# Altium PCB PCB-SM01.PcbDoc (part 4 of 4)
Units mm, origin at the board's own origin, x right, y up, seen from the top; angles counter-clockwise.
Board outline 208.23 x 194.9 mm, 2 copper layers (Top Layer, Bottom Layer); 394 components, 287 nets, 1171 pads, 418 vias.
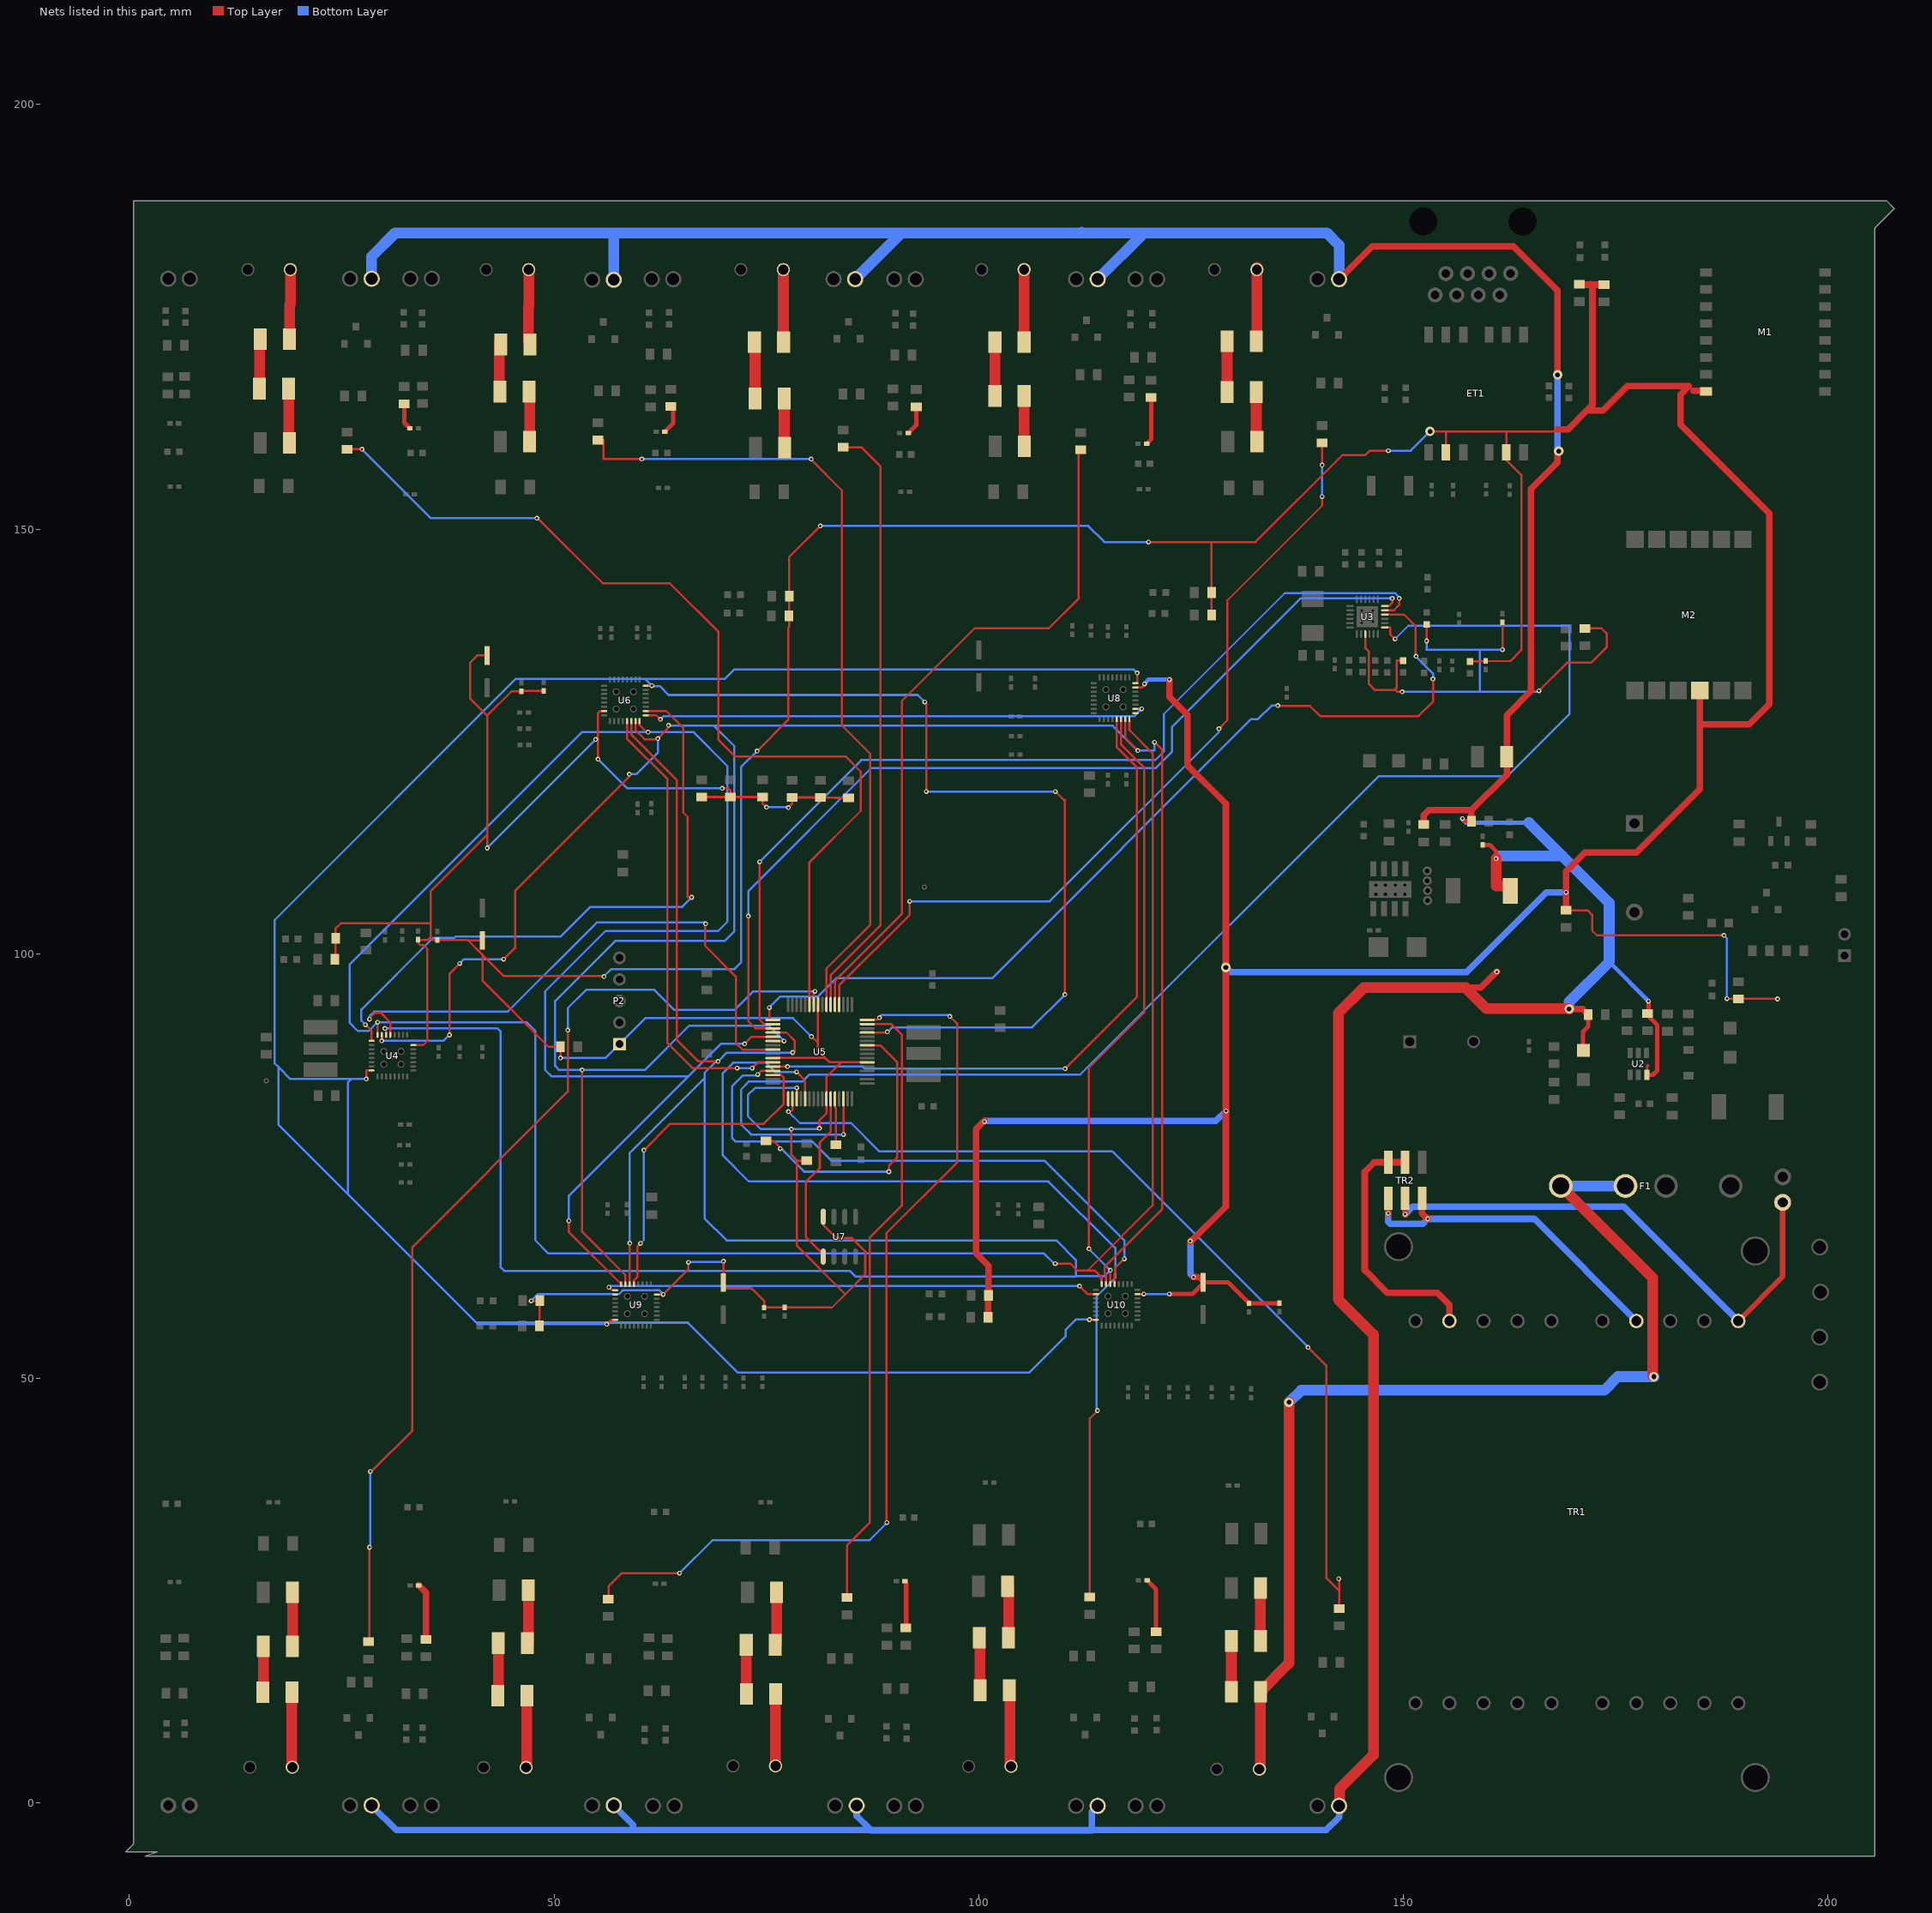
[diagram p4: the nets of this part, all layers, seen from the top]

## Via types
v1: diameter 0.559, hole 0.305, Top Layer to Bottom Layer, 383 vias
v2: diameter 1.118, hole 0.559, Top Layer to Bottom Layer, 31 vias
v3: diameter 0.813, hole 0.559, Top Layer to Bottom Layer, 3 vias
v4: diameter 0.965, hole 0.559, Top Layer to Bottom Layer, 1 vias

## Nets (pads, with @x,y where several pads share a name; then routed paths per layer and width w, separated by ;. In a path a pad name is that pad's centre, name@x,y a point inside that pad or via, vN(x,y) a via of type N, cw(c..) or ccw(c..) an arc to the next point about the centre after c; other vN are vias at no path point) (continued)
NetR45_1: R45.1 R47.2 | length 6.4
  Top Layer w1.27: R45.1@18.74,166.536 18.74,160.237 R47.2@18.817,160.161
NetR45_2: R45.2 R46.1 | length 5.9
  Top Layer w0.254: R46.1@15.311,172.251 R46.1@15.413,172.353
  Top Layer w1.27: R45.2@15.311,166.536 R46.1@15.311,172.251
NetR46_2: R46.2 TB1.1 | length 8.2
  Top Layer w0.254: 18.842,176.403 18.944,176.505
  Top Layer w1.27: R46.2@18.842,172.353 18.842,176.403 ; 18.944,176.505 TB1.1@18.944,180.557
NetR52_1: R52.1 U5.59 | length 113.6
  Top Layer w0.254: R52.1@25.624,159.399 v1(27.376,159.399) ; v1(47.976,151.271) 48.027,151.322 55.728,143.621 63.618,143.621 69.342,137.897 69.342,125.171 71.269,123.244 84.304,123.244 86.097,121.451 86.097,116.815 80.055,110.773 U5.59@80.055,94.018
  Bottom Layer w0.254: v1(27.376,159.399) 35.504,151.271 v1(47.976,151.271)
NetR54_1: R54.1 R57.2 | length 6.3
  Top Layer w1.27: R54.1@19.198,18.454 R57.2@19.198,24.804
NetR54_2: R54.2 R56.1 | length 5.4
  Top Layer w0.254: R56.1@15.692,13.044 R56.1@15.769,13.12
  Top Layer w1.27: R56.1@15.769,13.12 R54.2@15.769,18.454
NetR56_2: R56.2 TB2.1 | length 9
  Top Layer w0.254: TB2.1@18.762,4.23 TB2.1@19.121,4.59
  Top Layer w1.27: TB2.1@19.121,4.59 R56.2@19.121,13.044
NetR60_1: R60.1 U5.58 | length 117.9
  Top Layer w0.254: R60.1@28.164,18.988 28.265,19.089 v1(28.265,30.113) ; v1(28.367,39.028) 28.473,39.028 33.299,43.854 33.299,65.456 51.613,83.769 v1(51.613,91.008) ; U5.58@80.555,94.018 80.555,95.44 v1(80.696,95.58)
  Bottom Layer w0.254: v1(28.265,30.113) 28.367,30.214 v1(28.367,39.028) ; v1(51.613,91.008) 51.613,93.592 53.767,95.746 61.793,95.746 64.156,93.384 71.235,93.384 73.431,95.58 v1(80.696,95.58)
NetR65_1: R65.1 R67.2 | length 5.9
  Top Layer w0.254: R67.2@47.087,160.313 R67.2@47.112,160.339
  Top Layer w1.27: R67.2@47.112,160.339 R65.1@47.112,166.181
NetR65_2: R65.2 R66.1 | length 6
  Top Layer w1.27: R66.1@43.556,172.15 43.556,166.308 R65.2@43.683,166.181
NetR66_2: R66.2 TB3.1 | length 8.3
  Top Layer w0.254: 46.985,176.276 47.007,176.298
  Top Layer w1.27: R66.2@46.985,172.15 46.985,176.276 ; 47.007,176.298 TB3.1@47.007,180.455
NetR70_1: R70.1 U5.55 | length 96
  Top Layer w0.254: R70.1@55.672,160.466 55.804,160.466 55.804,158.242 v1(60.325,158.242) ; v1(80.259,158.256) 80.259,158.171 83.871,154.559 83.871,126.878 87.219,123.53 87.219,103.411 82.055,98.248 U5.55@82.055,94.018
  Bottom Layer w0.254: v1(60.325,158.242) v1@80.188,158.242 ; v1@80.245,158.242 v1(80.259,158.256)
NetR75_1: R75.1 U5.54 | length 71.1
  Top Layer w0.254: U5.54@82.555,94.018 82.555,97.468 88.438,103.351 88.438,157.367 86.177,159.627 R75.1@84.018,159.627
NetR76_2: R76.2 U5.42 | length 33.8
  Top Layer w0.254: R76.2@74.951,77.966 75.814,77.966 76.729,77.052 v1(76.627,77.052) ; U5.42@86.855,89.218 88.404,89.218 90.373,87.249 90.373,75.997 89.403,75.027 v1(89.403,74.334)
  Bottom Layer w0.254: v1(76.627,77.052) 76.729,77.052 79.446,74.334 v1(89.403,74.334)
NetR77_2: R77.2 U5.28 | length 5.5
  Top Layer w0.254: U5.28@83.055,82.918 83.055,81.947 83.184,81.819 83.184,77.535 R77.2@83.155,77.535
NetR78_1: R78.1 R80.2 | length 5.5
  Top Layer w1.27: R80.2@77.084,159.881 R78.1@77.084,165.368
NetR78_2: R78.2 R79.1 | length 6.7
  Top Layer w0.254: R79.1@73.579,172.023 R79.1@73.655,171.946
  Top Layer w1.27: R78.2@73.655,165.368 R79.1@73.655,171.946
NetR79_2: R79.2 TB4.1 | length 8.6
  Top Layer w0.254: R79.2@76.983,172.048 R79.2@77.008,172.023
  Top Layer w1.27: R79.2@76.983,172.048 TB4.1@76.983,180.557 TB4.1@76.983,180.633
NetR86_1: R86.1 U5.53 | length 82.4
  Top Layer w0.254: U5.53@83.055,94.018 83.055,96.799 90.932,104.676 90.932,129.736 99.512,138.317 108.25,138.317 111.76,141.827 111.76,159.073 R86.1@112.009,159.323
NetR90_1: R90.1 R92.2 | length 6
  Top Layer w0.254: R92.2@105.075,159.78 R92.2@105.329,160.034
  Top Layer w1.27: R92.2@105.329,160.034 R90.1@105.329,165.673
NetR90_2: R90.2 R91.1 | length 6.3
  Top Layer w1.27: R90.2@101.9,165.673 R91.1@101.9,172.023
NetR91_2: R91.2 TB5.1 | length 8.7
  Top Layer w1.27: R91.2@105.329,172.023 TB5.1@105.329,180.557 TB5.1@105.329,180.735
NetR94_1: R94.1 U5.52 | length 99.3
  Top Layer w0.254: U5.52@83.555,94.018 83.555,96.274 91.872,104.59 v1(91.872,106.172) ; v1(128.27,126.491) 129.256,127.476 129.256,141.6 140.411,152.756 v1(140.411,153.836) ; R94.1@140.406,160.161 140.406,157.545 v1(140.411,157.54)
  Bottom Layer w0.254: v1(91.872,106.172) 108.338,106.172 128.27,126.104 v1(128.27,126.491) ; v1(140.411,153.836) v1(140.411,157.54)
NetR99_1: R99.1 R101.2 | length 6
  Top Layer w0.254: R101.2@132.558,160.161 R101.2@132.659,160.262
  Top Layer w1.27: R101.2@132.659,160.262 R99.1@132.659,166.13
NetR99_2: R99.2 R100.1 | length 6
  Top Layer w1.27: R99.2@129.23,166.13 R100.1@129.23,172.099
NetR100_2: R100.2 TB6.1 | length 8.8
  Top Layer w1.27: R100.2@132.659,172.099 132.736,172.175 TB6.1@132.736,180.557 TB6.1@132.736,180.836
NetR108_1: R108.1 R110.2 | length 6.3
  Top Layer w0.254: R108.1@46.858,18.835 R108.1@46.96,18.937
  Top Layer w1.27: R108.1@46.96,18.937 R110.2@46.96,25.084
NetR108_2: R108.2 R109.1 | length 6.2
  Top Layer w0.254: R109.1@43.353,12.663 R109.1@43.429,12.739
  Top Layer w1.27: R109.1@43.429,12.739 R108.2@43.429,18.835
NetR109_2: R109.2 TB7.1 | length 8.5
  Top Layer w0.254: TB7.1@46.701,4.193 TB7.1@46.782,4.274
  Top Layer w1.27: TB7.1@46.782,4.274 R109.2@46.782,12.663
NetR112_1: R112.1 U5.48 | length 110.9
  Top Layer w0.254: R112.1@56.409,24.017 56.409,25.541 57.933,27.065 v1(64.765,27.065) ; U5.48@86.855,92.218 88.059,92.218 v1(88.311,92.47) ; v1@89.124,33.034 89.124,67.127 97.46,75.463 97.46,91.754 v1(96.591,92.622)
  Bottom Layer w0.254: v1(64.765,27.065) 68.651,30.951 87.143,30.951 89.175,32.983 v1(89.175,33.034) ; v1(88.311,92.47) 88.311,92.546 88.562,92.797 96.417,92.797 v1(96.591,92.622)
NetR117_1: R117.1 R119.2 | length 6.2
  Top Layer w1.27: R117.1@76.043,18.632 76.195,18.784 R119.2@76.195,24.804
NetR117_2: R117.2 R118.1 | length 5.8
  Top Layer w1.27: R117.2@72.614,18.632 72.614,12.892 R118.1@72.639,12.866
NetR118_2: R118.2 TB8.1 | length 8.5
  Top Layer w0.254: TB8.1@76.06,4.371 TB8.1@76.068,4.38
  Top Layer w1.27: TB8.1@76.068,4.38 R118.2@76.068,12.866
NetR121_1: R121.1 U5.47 | length 73.5
  Top Layer w0.254: R121.1@84.476,24.195 84.476,30.337 87.173,33.034 87.173,66.592 90.927,70.346 90.927,90.475 89.684,91.718 U5.47@86.855,91.718
NetR125_1: R125.1 U5.21 | length 116.1
  Top Layer w0.254: v1(78.537,86.081) 79.555,85.062 U5.21@79.555,82.918 ; R125.1@113.051,24.245 113.051,45.277 113.813,46.039 113.813,46.064 v1(113.965,46.216)
  Bottom Layer w0.254: v1(78.537,86.081) 76.022,86.081 74.945,87.158 71.073,87.158 69.845,85.93 69.845,76.265 72.919,73.191 108.19,73.191 116.096,65.285 116.096,61.867 113.857,59.628 113.857,46.216 v1(113.965,46.216)
NetR130_1: R130.1 R132.2 | length 6.1
  Top Layer w1.27: R132.2@103.394,25.504 103.495,25.402 R130.1@103.495,19.459
NetR130_2: R130.2 R131.1 | length 6.2
  Top Layer w1.27: R130.2@100.066,19.459 100.143,19.382 R131.1@100.143,13.286
NetR131_2: R131.2 TB9.1 | length 9
  Top Layer w0.254: R131.2@103.572,13.062 R131.2@103.572,13.286
  Top Layer w1.27: TB9.1@103.644,4.346 R131.2@103.644,13.087
NetR133_1: R133.1 U5.18 | length 108.3
  Top Layer w0.254: v1(77.567,81.421) 77.852,81.421 78.055,81.624 U5.18@78.055,82.918 ; v1(138.755,53.659) 140.94,51.474 140.94,26.481 142.438,24.982 ; v1(142.362,26.404) 142.438,26.328 142.438,24.982 ; R133.1@142.438,22.899 142.438,24.982
  Bottom Layer w0.254: v1(77.567,81.421) 78.927,80.061 84.947,80.061 88.26,76.747 115.709,76.747 138.776,53.679 v1(138.755,53.659)
NetR139_1: R139.1 R141.2 | length 6.2
  Top Layer w1.27: R139.1@133.163,19.078 R141.2@133.163,25.326
NetR139_2: R139.2 R140.1 | length 6
  Top Layer w1.27: R140.1@129.734,13.109 R139.2@129.734,19.078
NetR140_2: F1.1 R140.2 TB10.1 | length 123.2
  Top Layer w0.254: TB10.1@133.032,3.99 TB10.1@133.163,4.121
  Top Layer w1.27: TB10.1@133.163,4.121 R140.2@133.163,13.109 136.52,16.466 v2(136.52,47.182) ; F1.1@168.514,72.658 179.319,61.853 v2@179.319,50.357
  Bottom Layer w1.27: v2(136.52,47.182) 137.943,48.604 173.63,48.604 175.23,50.204 v2(179.472,50.204) ; F1.1@168.514,72.658 F1.1@176.134,72.658
NetS1_2: S1.2 TR1.1@189.411,56.76 TR2.5 | length 63.2
  Top Layer w0.635: TR1.1@189.411,56.76 194.635,61.984 S1.2@194.635,70.725
  Top Layer w0.762: v1(150.185,69.33) 150.195,69.34 TR2.5@150.195,71.194
  Bottom Layer w0.762: v1(150.185,69.33) 151.086,70.231 175.941,70.231 TR1.1@189.411,56.76
NetTR1_4: TR1.4 TR2.4@148.195,71.194 TR2.6 | length 39.9
  Top Layer w0.254: 152.195,69.418 152.197,69.418
  Top Layer w0.762: v1(148.195,69.429) TR2.4@148.195,71.194 ; 152.195,69.418 TR2.6@152.195,71.194 ; 152.197,69.418 v1(152.832,68.783)
  Bottom Layer w0.762: v1(148.195,69.429) 148.195,68.476 148.458,68.213 152.261,68.213 v1(152.832,68.783) 165.388,68.783 TR1.4@177.411,56.76
NetTR1_9: TR1.9 TR2.2 TR2.3 | length 30.4
  Top Layer w0.762: TR2.2@150.195,75.444 TR2.3@148.195,75.444 146.545,75.444 145.436,74.334 145.436,62.726 148.077,60.085 153.989,60.085 155.411,58.662 TR1.9@155.411,56.76
NetU3_13: U3.13 U5.30 | length 170.6
  Top Layer w0.254: v1(84.055,78.715) U5.30@84.055,82.918 ; U3.13@147.74,138.438 148.429,138.438 148.429,137.626 v1(148.996,137.058)
  Bottom Layer w0.254: v1(84.055,78.715) 73.177,78.715 72.009,79.883 72.009,84.023 72.963,84.977 79.243,84.977 80.042,85.776 111.938,85.776 147.08,120.918 162.225,120.918 169.545,128.238 169.545,138.622 150.56,138.622 v1(148.996,137.058)
NetU3_16: U3.16 U5.1 | length 110
  Top Layer w0.254: v1(75.336,93.65) 75.336,92.218 U5.1@75.755,92.218 ; v1(135.199,129.224) 135.242,129.181 138.992,129.181 140.194,127.979 151.76,127.979 153.462,129.681 v1(153.462,132.348) ; U3.16@147.74,139.938 150.053,139.938 151.43,138.562 151.43,135.015 v1(151.481,135.015)
  Bottom Layer w0.254: v1(75.336,93.65) 76.646,94.96 81.051,94.96 83.21,97.118 101.57,97.118 132.075,127.623 132.863,127.623 134.463,129.224 v1(135.199,129.224) ; v1(151.481,135.015) 151.455,135.015 153.462,133.008 v1(153.462,132.348)
NetU3_17: U3.17 U5.2 | length 114.5
  Top Layer w0.254: v1(74.193,110.82) 74.193,92.226 74.701,91.718 U5.2@75.755,91.718 ; U3.17@147.74,140.438 148.869,140.438 149.479,141.048 v1(149.479,141.834)
  Bottom Layer w0.254: v1(74.193,110.82) 86.171,122.798 120.773,122.798 121.782,123.807 121.782,128.219 136.02,142.458 149.018,142.458 149.479,141.997 v1(149.479,141.834)
NetU3_18: U3.18 U5.3 | length 112
  Top Layer w0.254: v1(72.855,104.429) 72.855,92.048 73.685,91.218 U5.3@75.755,91.218 ; U3.18@147.74,140.938 148.275,140.938 148.666,141.329 v1(148.666,141.837)
  Bottom Layer w0.254: v1(72.855,104.429) 72.855,107.367 87.357,121.868 120.834,121.868 122.752,123.787 122.752,126.719 137.87,141.837 v1(148.666,141.837)
NetU4_1: U4.1 U6.2 | length 74.4
  Top Layer w0.254: v1(27.788,91.643) 28.499,90.932 28.499,89.749 U4.1@28.508,89.749 ; U6.2@60.771,128.572 63.194,128.572 65.202,126.564 65.202,116.611 65.705,116.108 65.705,106.643 v1(66.188,106.643)
  Bottom Layer w0.254: v1(27.788,91.643) 27.305,92.126 27.305,93.421 35.754,101.87 38.246,101.87 38.407,102.032 50.781,102.032 54.275,105.525 65.07,105.525 v1(66.188,106.643)
NetU4_8: U4.8 U5.45 U6.8 U8.8 U9.8 U10.8 | length 404.1
  Top Layer w0.254: v1(27.889,85.242) 27.889,86.249 U4.8@28.508,86.249 ; v1(56.21,56.388) 56.709,56.887 U9.8@57.184,56.887 ; U6.8@60.771,131.572 v1(61.493,131.572) v1(61.527,131.572) ; U5.45@86.855,90.718 89.15,90.718 v1(89.225,90.793) ; v1(93.62,129.655) 93.797,129.478 v1(93.797,119.089) ; v1(109.012,119.089) 109.977,118.124 110.13,118.124 v1(110.13,95.188) ; v1(113.019,56.912) v1@113.039,56.912 ; v1(113.03,56.921) v1@113.039,56.912 ; U10.8@113.776,56.912 v1@113.039,56.912 ; U8.8@118.422,131.837 118.643,131.837 v1(118.643,133.056)
  Bottom Layer w0.254: v1(27.889,85.242) 26.093,85.242 ; v1(56.21,56.388) 41.021,56.388 40.843,56.566 ; v1(61.493,131.572) 60.681,132.385 ; v1(61.527,131.572) 61.589,131.51 62.428,131.51 63.47,130.468 92.807,130.468 v1(93.62,129.655) ; v1@89.251,90.768 89.81,91.327 106.269,91.327 v1(110.13,95.188) ; v1(93.797,119.089) v1(109.012,119.089) ; v1(113.03,56.921) 111.4,56.921 110.206,55.728 110.206,54.954 105.95,50.698 71.603,50.698 65.735,56.566 40.843,56.566 ; v1(118.643,133.056) 118.24,133.459 71.185,133.459 70.111,132.385 60.681,132.385 ; 17.551,86.639 18.948,85.242 26.093,85.242 ; 17.551,86.639 17.551,79.858 25.7,71.709 ; 17.551,86.639 17.089,87.101 17.089,103.983 45.491,132.385 60.681,132.385 ; 25.7,71.709 40.843,56.566 ; 25.7,71.709 25.7,84.85 26.093,85.242
NetU4_29: U4.29 U5.8 | length 69.8
  Top Layer w0.254: v1(28.265,92.292) 28.129,92.292 28.852,93.015 29.616,93.015 30.708,91.923 U4.29@30.708,90.449 ; v1(67.839,103.519) 67.748,103.428 67.748,100.959 71.399,97.307 71.399,89.484 72.165,88.718 U5.8@75.755,88.718
  Bottom Layer w0.254: v1(28.265,92.292) 28.265,92.648 28.81,93.193 44.533,93.193 55.012,103.671 67.686,103.671 v1(67.839,103.519)
NetU4_30: U4.30 U5.4 U6.30 U8.30 U9.30 U10.30 | length 340.6
  Top Layer w0.254: v1(30.074,91.211) 30.208,91.077 U4.30@30.208,90.449 ; U9.30@58.884,61.087 58.884,63.874 58.877,63.881 58.877,65.906 v1(58.898,65.927) ; U6.30@59.071,127.372 59.071,125.832 64.435,120.467 64.435,89.895 67.005,87.325 v1(69.291,87.325) ; U5.4@75.755,90.718 77.363,90.718 78.329,89.752 78.329,88.458 78.158,88.288 v1(78.08,88.367) ; v1(112.954,65.253) 112.954,86.546 119.451,93.043 119.451,121.95 116.722,124.68 U8.30@116.722,127.637 ; U10.30@115.476,61.112 v1(115.476,62.731)
  Bottom Layer w0.254: v1(30.074,91.211) 43.341,91.211 43.713,90.839 43.713,63.068 44.12,62.662 84.811,62.662 85.493,61.979 111.313,61.979 111.386,62.052 ; v1@58.877,65.927 58.877,76.519 67.712,85.353 ; v1(78.08,88.367) 70.333,88.367 v1(69.291,87.325) 69.069,87.325 67.712,85.967 67.712,85.353 ; v1(112.954,65.253) v1(115.476,62.731) 114.797,62.052 111.386,62.052 ; 67.712,85.353 67.712,68.839 70.307,66.243 109.144,66.243 111.43,63.957 111.43,62.096 111.386,62.052
NetU4_31: U4.31 U5.6 U6.31 U8.31 U9.31 U10.31 | length 310.3
  Top Layer w0.254: v1@29.708,89.772 U4.31@29.708,90.449 ; v1(37.663,90.438) 37.663,97.626 v1(38.883,98.845) ; v1(44.064,99.353) 45.385,100.674 45.385,107.405 58.847,120.867 v1(58.847,121.146) ; v1(53.289,86.309) 53.289,67.268 58.384,62.173 U9.31@58.384,61.087 ; U6.31@59.571,127.372 59.571,126.341 60.65,125.261 62.098,125.261 v1@62.174,125.337 ; v1(62.2,125.337) v1@62.174,125.337 ; v1(63.47,126.887) 63.47,126.633 v1@62.174,125.337 ; U5.6@75.755,89.718 77.058,89.718 v1(77.064,89.713) ; U10.31@114.976,61.112 114.976,62.189 114.833,62.332 114.833,63.17 121.56,69.896 121.56,124.042 v1(120.696,124.906) ; U8.31@117.222,127.637 117.222,125.425 v1(118.72,123.927)
  Bottom Layer w0.254: v1(29.688,89.752) 31.252,89.752 ; 31.226,89.763 36.988,89.763 v1(37.663,90.438) ; v1(38.883,98.845) 39.391,99.353 v1(44.064,99.353) ; v1(58.847,121.146) 59.685,121.146 62.2,123.661 v1(62.2,125.337) ; v1(63.47,126.887) 63.47,126.862 68.794,126.862 68.809,126.848 ; v1(77.064,89.713) 75.246,91.53 65.901,91.53 60.681,86.309 v1(53.289,86.309) 50.601,86.309 50.114,86.796 50.114,94.43 57.196,101.512 70.081,101.512 71.217,102.648 71.217,124.439 68.809,126.848 ; v1(120.696,124.906) 120.696,123.973 120.65,123.927 v1(118.72,123.927) 118.678,123.927 115.757,126.848 68.809,126.848
NetU4_32: U4.32 U5.5 U6.32 U8.32 U9.32 U10.32 | length 369.4
  Top Layer w0.254: U4.32@29.208,90.449 v1(29.208,91.948) ; v1(51.74,68.555) 51.74,67.232 U9.32@57.884,61.087 ; U6.32@60.071,127.372 60.071,126.912 60.884,126.099 v1(61.057,126.099) ; v1(72.418,89.383) 73.254,90.218 U5.5@75.755,90.218 ; v1(108.987,63.514) 110.781,63.514 111.608,62.687 112.593,62.687 ; U8.32@117.722,127.637 117.722,126.356 120.467,123.61 120.467,70.372 112.797,62.701 112.81,62.687 112.593,62.687 ; 112.593,62.687 112.596,62.685 113.665,62.685 114.325,62.025 ; 114.325,62.025 U10.32@114.476,61.112 114.476,61.874 114.325,62.025
  Bottom Layer w0.254: v1(51.74,68.555) 51.74,71.494 65.818,85.573 ; v1(72.418,89.383) 69.628,89.383 65.818,85.573 ; v1(108.987,63.514) 108.86,63.514 107.666,64.708 49.338,64.708 47.777,66.269 47.777,90.932 46.761,91.948 v1(29.208,91.948) 28.165,90.905 26.884,90.905 25.903,91.886 25.903,98.7 53.315,126.111 66.37,126.111 70.394,122.087 70.394,103.774 69.301,102.681 56.053,102.681 48.941,95.569 48.941,86.307 49.675,85.573 65.818,85.573
NetU5_11: U5.11 U6.29 | length 53.8
  Top Layer w0.254: U6.29@58.571,127.372 58.571,125.325 63.343,120.553 63.343,89.474 66.279,86.538 v1(71.552,86.538) ; v1(73.304,86.538) 73.985,87.218 U5.11@75.755,87.218
  Bottom Layer w0.254: v1(71.552,86.538) v1(73.304,86.538)
NetU5_12: U5.12 U8.29 | length 80.2
  Top Layer w0.254: U5.12@75.755,86.718 77.467,86.718 v1(77.47,86.716) ; v1(110.16,86.462) 118.593,94.894 118.593,122.005 116.222,124.376 U8.29@116.222,127.637
  Bottom Layer w0.254: v1(77.47,86.716) 86.335,86.716 86.589,86.462 v1(110.16,86.462)
NetU5_13: U5.13 U10.29 | length 68.3
  Top Layer w0.254: v1@74.081,85.91 74.389,86.218 U5.13@75.755,86.218 ; U10.29@115.976,61.112 115.976,62.353 116.096,62.474 116.096,63.061 v1(117.119,64.084)
  Bottom Layer w0.254: v1(73.96,85.79) 73.832,85.661 72.199,85.661 70.968,84.43 70.968,78.257 71.309,77.916 80.363,77.916 82.674,75.604 107.758,75.604 117.119,66.243 v1(117.119,64.084)
NetU5_14: U5.14 U9.29 | length 39.5
  Top Layer w0.254: U9.29@59.384,61.087 59.384,61.518 59.787,61.92 59.787,65.52 v1(60.168,65.901) ; v1(60.571,76.878) 63.666,79.973 74.671,79.973 77.013,82.315 77.013,85.439 76.733,85.718 U5.14@75.755,85.718
  Bottom Layer w0.254: v1(60.168,65.901) 60.549,66.282 60.549,76.9 v1(60.571,76.878)
NetU5_17: U5.17
NetU5_27: U5.27 U7.1 | length 20.9
  Top Layer w0.254: U7.1@81.682,64.339 81.682,64.999 81.28,64.999 79.624,66.654 79.624,73.112 81.275,74.763 81.275,77.763 82.555,79.043 U5.27@82.555,82.918
NetU6_1: U6.1 U8.2 | length 59.9
  Top Layer w0.254: U6.1@60.771,128.072 62.031,128.072 v1(62.505,127.598) ; U8.2@118.422,128.837 v1(119.177,128.837)
  Bottom Layer w0.254: v1(62.505,127.598) 62.897,127.991 118.33,127.991 v1(119.177,128.837)
NetU8_1: U8.1
NetU9_1: U9.1 U10.2 | length 58.7
  Top Layer w0.254: v1(56.45,60.73) 56.793,60.387 U9.1@57.184,60.387 ; v1(111.862,60.868) 112.818,59.912 U10.2@113.776,59.912
  Bottom Layer w0.254: v1(56.45,60.73) 56.588,60.868 v1(111.862,60.868)
NetU9_2: U9.2
NewNet1: C65.1 R64.1 | length 3.2
  Top Layer w0.508: R64.1@32.355,164.758 32.355,162.523 C65.1@33.015,161.863
NewNet2: C70.1 R74.1 | length 3.3
  Top Layer w0.508: C70.1@63.038,161.482 64.003,162.447 R74.1@64.003,164.377
NewNet3: C84.1 R88.1 | length 3.5
  Top Layer w0.508: C84.1@91.689,161.304 92.629,162.244 R88.1@92.629,164.403
NewNet4: C87.1 R98.1 | length 5.7
  Top Layer w0.508: C87.1@119.756,160.059 120.29,160.593 R98.1@120.29,165.495
NewNet5: C96.1 R107.1 | length 6.7
  Top Layer w0.762: C96.1@34.057,25.642 34.895,24.804 R107.1@34.895,19.267
NewNet6: C119.1 R129.1 | length 10.5
  Top Layer w0.508: C119.1@91.308,26.024 C119.1@91.41,25.923 ; C119.1@91.308,26.125 91.41,26.023 C119.1@91.41,25.923 ; R129.1@91.41,20.613 C119.1@91.41,25.923 ; 91.486,21.121 91.486,25.846 C119.1@91.41,25.923
NewNet7: C121.1 R138.1 | length 6.5
  Top Layer w0.508: C121.1@119.807,26.227 120.869,25.165 R138.1@120.869,20.17
VCC=3.3V: C25.1 C31.1 C32.1 C33.1 C36.1 C39.1 C40.1 C41.2 C43.1 C46.1 C47.1 C58.1 C59.2 C60.2 C95.2 C97.1 C99.1 C110.1 C111.2 C112.1 ET1.2 ET1.5 M1.8 M2.10 P2.1 R19.1 R20.1 R36.2 R38.2 R39.2 R42.2 R43.2 R68.2 R81.2 R82.2 R102.2 R104.2 R122.2 R124.2 R142.2 R143.2 TP3.1 U4.23 U5.10 U5.19 U5.26 U5.38 U5.57 U6.23 U7.8 U8.7 U9.23 U10.23 | length 927.5
  Top Layer w0.254: R42.2@24.303,99.252 24.252,99.302 24.252,102.967 24.867,103.581 35.394,103.581 ; U4.23@33.408,89.249 34.569,89.249 35.077,89.757 35.077,100.559 34.646,100.99 34.26,100.99 33.955,101.295 C32.1@33.955,101.665 34.006,101.614 35.103,101.614 35.405,101.916 ; C33.1@41.55,101.573 39.854,101.573 ; C60.2@42.108,135.116 40.94,135.116 40.127,134.304 40.127,130.027 42.108,128.046 42.108,114.016 35.458,107.366 35.458,101.969 35.405,101.916 ; v1(42.113,112.446) 42.113,128.041 44.972,130.9 C58.1@46.147,130.9 46.147,130.962 48.763,130.962 C59.2@48.763,130.951 ; v1(47.295,59.131) R122.2@48.306,59.131 ; R124.2@48.255,56.173 48.306,57.683 R122.2@48.306,59.131 ; R122.2@48.306,59.145 R122.2@48.306,59.131 ; v1(50.744,87.721) R68.2@50.744,89.052 ; R68.2@50.744,89.066 R68.2@50.744,89.052 ; v1(55.169,122.911) 55.169,128.343 55.397,128.572 U6.23@55.871,128.572 ; v1(55.875,97.321) 55.842,97.355 44.072,97.355 41.55,99.878 ; U9.23@62.084,59.887 62.833,59.887 v1(62.84,59.893) 65.807,62.86 v1(65.807,63.666) ; C36.1@67.356,118.454 C39.1@70.344,118.454 ; v1(69.774,119.482) 70.494,119.482 70.76,119.216 C39.1@70.76,118.454 C40.1@74.544,118.454 74.544,117.667 74.951,117.26 v1(75.001,117.26) ; v1(69.921,63.793) 69.921,62.98 C95.2@69.921,61.294 69.921,60.604 73.249,60.604 74.722,59.131 C97.1@74.722,58.344 ; v1(73.889,123.876) 77.541,127.529 77.541,138.368 ; C97.1@74.722,58.332 C97.1@74.722,58.344 ; U5.10@75.755,87.718 81.878,87.718 ; R82.2@77.541,141.974 R82.2@77.668,142.101 ; v1(77.567,117.209) 77.999,117.641 C43.1@77.999,118.403 C46.1@81.351,118.403 83.109,118.352 C47.1@84.653,118.352 ; 77.668,138.495 R82.2@77.668,142.101 ; v1(77.922,79.35) 77.922,76.29 78.583,75.63 ; U5.19@78.555,82.918 v1(78.555,84.226) ; C41.2@79.751,75.63 78.583,75.63 ; v1(80.289,90.246) 80.309,90.246 81.055,89.5 ; U5.57@81.055,94.018 81.055,89.5 ; v1(81.224,79.44) 81.224,80.379 82.055,81.21 U5.26@82.055,82.918 82.055,85.496 83.777,87.218 ; v1(81.331,150.368) 77.668,146.706 R82.2@77.668,142.101 ; U7.8@81.682,69.039 81.682,68.072 83.243,66.511 85.076,66.511 86.625,64.962 86.625,62.266 84.277,59.919 ; U5.38@86.855,87.218 83.777,87.218 ; v1(100.681,80.227) v1@100.681,80.345 ; U8.7@118.422,131.337 119.177,131.337 119.426,131.586 119.426,131.687 v1(119.502,131.764) ; U10.23@118.676,59.912 119.406,59.912 v1(119.426,59.932) ; v1(119.985,148.477) 127.427,148.477 ; R104.2@127.402,139.892 R102.2@127.402,142.533 127.402,148.451 127.427,148.477 ; v1(148.209,159.233) 146.031,159.233 145.486,158.688 142.787,158.688 132.576,148.477 127.427,148.477 ; v2(153.111,161.493) 154.965,161.493 ; ET1.2@154.991,159.055 154.991,161.468 154.965,161.493 ; R36.2@157.805,134.405 158.685,134.417 159.66,134.429 162.585,134.468 163.876,135.758 163.876,156.367 162.103,158.14 ET1.5@162.103,159.055 162.103,161.392 162.204,161.493 ; 168.097,161.747 167.843,161.493 162.204,161.493 ; R19.1@169.134,105.119 171.674,105.119 172.207,104.586 172.207,102.731 172.766,102.173 v1(187.727,102.173) ; 172.08,178.85 172.263,179.033 R38.2@173.604,179.033 ; 183.573,166.827 184.131,166.268 ; v1@188.108,94.68 R20.1@189.428,94.68 TP3.1@194.026,94.68 ; 35.405,101.916 35.696,101.625 39.802,101.625 39.854,101.573 ; 39.854,101.573 41.55,99.878 ; 41.55,99.878 41.55,96.83 49.327,89.052 R68.2@50.744,89.052 ; C97.1@74.722,58.344 77.135,58.344 C99.1@77.135,58.358 82.716,58.358 84.277,59.919 ; 78.583,75.63 78.583,65.613 84.277,59.919 ; 81.055,89.5 81.055,88.595 82.432,87.218 83.777,87.218 ; 154.965,161.493 162.204,161.493
  Top Layer w0.508: v1(122.423,59.932) 125.141,59.932 126.386,61.177 C111.2@126.386,61.319 ; 125.766,61.939 C111.2@126.386,61.319 ; C110.1@135.352,58.84 C112.1@131.821,58.84 129.342,61.319 C111.2@126.386,61.319
  Top Layer w0.762: v1@100.681,80.345 99.695,79.359 99.695,64.703 101.138,63.26 R142.2@101.138,59.78 101.087,59.729 R143.2@101.087,57.189 ; v1(122.423,132.272) 122.423,130.265 124.582,128.106 124.582,122.162 129.078,117.667 v2(129.078,98.388) v1@129.078,81.472 ; v1(124.912,66.181) 124.912,66.079 129.078,70.245 v1@129.078,81.472 ; v1(125.268,61.939) 125.766,61.939 ; v1(129.103,81.497) v1@129.078,81.472 ; 168.097,161.747 169.367,161.747 171.577,163.957 ; R19.1@169.134,105.119 v1(169.134,107.227) 169.134,109.691 171.344,111.901 177.389,111.901 184.882,119.394 184.882,126.988 ; R39.2@170.759,178.906 170.886,178.779 172.08,178.779 ; 172.08,178.85 172.08,178.779 ; 172.237,178.601 172.237,164.617 171.577,163.957 ; R38.2@173.604,178.779 172.08,178.779 ; 184.131,166.268 M1.8@185.547,166.268 ; M2.10@184.882,131.002 184.882,126.988 ; 171.577,163.957 173.482,163.957 176.352,166.827 183.573,166.827 182.596,165.85 182.596,162.294 193.061,151.83 193.061,129.376 190.673,126.988 184.882,126.988
  Bottom Layer w0.254: v1(42.113,112.446) v1(54.889,125.222) ; v1(47.295,59.131) 48.071,59.907 57.621,59.907 58.114,60.4 62.332,60.4 v1(62.84,59.893) ; v1(50.744,87.721) 56.047,87.721 P2.1@57.683,89.357 60.745,92.419 78.117,92.419 v1(80.289,90.246) ; v1(55.169,122.911) 58.598,119.482 v1(69.774,119.482) ; v1@55.86,97.337 56.733,98.21 71.235,98.21 72.03,99.004 72.03,122.017 v1(73.889,123.876) ; v1@65.807,63.717 v1@69.845,63.717 ; v1(75.001,117.26) 77.516,117.26 v1(77.567,117.209) ; v1(78.555,84.226) 78.555,84.225 73.686,84.225 72.812,83.351 72.812,80.874 74.337,79.35 v1(77.922,79.35) 81.134,79.35 v1(81.224,79.44) ; v1(81.331,150.368) 112.887,150.368 114.778,148.477 v1(119.985,148.477) ; v1(100.681,80.227) 100.681,80.345 v1@100.723,80.303 ; v1(119.426,59.932) v1(122.423,59.932) ; v1(119.502,131.764) v1@119.502,131.814 ; v1(148.209,159.233) 150.851,159.233 v2(153.111,161.493) ; v1(187.727,102.173) 188.057,101.842 188.082,101.842 v1(188.082,94.705)
  Bottom Layer w0.508: v1@119.502,131.814 119.959,132.272 v1(122.423,132.272)
  Bottom Layer w0.762: v1@100.723,80.303 127.91,80.303 v1(129.103,81.497) ; v1(124.912,66.181) 124.912,62.295 v1(125.268,61.939) ; v2(129.078,98.388) 129.637,97.829 157.399,97.829 166.797,107.227 v1(169.134,107.227)
VCC=5V: C3.1 C4.1 C10.1 C11.1 L1.2 P4.1 P5.1 P7.1 P9.1 P11.1 P13.1 P15.1 P17.1 P18.1 P20.1 R2.1 R5.1 R17.2 TP1.1 U2.3 | length 582.8
  Top Layer w0.254: C10.1@171.145,88.655 C10.1@171.166,88.634 ; U2.3@178.603,87.034 178.818,86.819 178.653,86.654 U2.3@178.653,85.734 ; R17.2@178.71,92.772 R17.2@178.71,92.978 R17.2@178.837,93.105
  Top Layer w0.508: v1(156.942,115.914) 157.247,115.609 R2.1@157.983,115.609 ; C3.1@159.304,112.815 160.168,112.815 160.904,112.079 v1(160.904,111.19) ; C10.1@171.145,88.655 171.145,90.849 171.725,91.428 C11.1@171.725,92.851 ; U2.3@178.653,85.734 179.365,85.734 179.878,86.247 179.878,91.603 R17.2@178.71,92.772 ; R17.2@178.837,93.105 v1(178.837,94.417)
  Top Layer w0.762: P13.1@142.41,179.426 146.296,183.312 162.941,183.312 168.143,178.11 v2(168.143,168.162) ; R5.1@152.395,115.203 152.395,116.32 152.979,116.905 157.983,116.905 ; 157.297,96 159.101,96 TP1.1@160.98,97.88 ; R2.1@157.983,115.609 157.983,116.905 ; v2@168.143,159.05 168.143,157.875 164.983,154.714 164.983,130.926 162.149,128.092 C4.1@162.149,123.204 162.149,121.07 157.983,116.905 ; v2(169.494,93.497) 171.078,93.497 C11.1@171.725,92.851
  Top Layer w1.27: P20.1@142.41,-0.33 142.46,-0.279 142.46,1.687 146.456,5.683 146.456,55.152 142.311,59.297 142.311,93.003 145.309,96 157.297,96 159.736,93.562 169.43,93.562 v2(169.494,93.497) ; v1(160.904,111.19) 160.904,107.989 161.996,107.989 L1.2@162.581,107.405
  Bottom Layer w0.508: v1(156.942,115.914) 156.942,115.863 157.374,115.431 164.765,115.431 ; v1(160.904,111.19) 161.209,111.494 ; 174.222,99.031 v1(178.837,94.417)
  Bottom Layer w0.762: P5.1@28.516,-0.276 31.437,-3.197 87.317,-3.197 ; 56.88,184.861 57.015,184.726 ; P15.1@57.015,-0.276 59.301,-2.562 59.301,-2.892 ; P17.1@85.615,-0.305 85.615,-1.495 87.317,-3.197 ; P18.1@113.987,-0.33 113.327,-0.991 113.327,-3.197 ; P20.1@142.41,-0.33 142.41,-1.676 140.889,-3.197 113.327,-3.197 ; v2(168.143,168.162) 168.143,159.314 v2(168.275,159.182) ; 87.317,-3.197 87.321,-3.2 113.327,-3.2 113.327,-3.197
  Bottom Layer w1.016: P4.1@28.509,179.36 P4.1@28.516,179.353 ; 85.556,184.861 85.658,184.963 85.658,184.861 ; 112.107,185.064 112.311,184.861
  Bottom Layer w1.27: P4.1@28.509,179.36 28.509,182.096 31.274,184.861 56.88,184.861 85.556,184.861 ; P7.1@57.015,179.353 57.015,184.726 ; P9.1@85.437,179.426 90.873,184.861 ; 85.658,184.861 90.873,184.861 ; P11.1@113.99,179.426 119.426,184.861 ; P13.1@142.41,179.426 142.41,183.439 140.987,184.861 119.426,184.861 ; 161.209,111.494 168.702,111.494 ; 164.765,115.431 168.702,111.494 ; v2@169.489,93.497 169.489,94.324 174.188,99.023 ; 174.209,99.044 174.209,105.987 168.702,111.494 ; 90.873,184.861 112.311,184.861 119.426,184.861
VDD=3.3V: C16.1 C17.1 L3.1 R22.2 U3.9 | length 68.3
  Top Layer w0.254: U3.9@145.49,137.688 145.49,136.017 145.904,135.604 145.904,135.107 ; v1(149.83,130.824) 149.804,130.849 149.246,130.849 149.106,130.989 149.106,131.243 ; R22.2@149.931,134.507 149.906,134.532 149.195,134.532 149.195,131.332 149.106,131.243 ; v1(152.725,136.83) L3.1@152.725,138.774 ; v1(161.641,135.814) C17.1@161.641,139.028 ; v1(165.933,130.951) 169.247,134.264 172.085,134.264 173.934,136.114 173.934,137.682 173.299,138.317 C16.1@171.75,138.317 ; 145.904,135.107 145.904,132.099 145.923,132.08 ; 145.904,135.107 145.923,135.088 145.923,132.08 ; 145.923,132.08 145.923,131.775 146.66,131.039 148.902,131.039 149.106,131.243
  Bottom Layer w0.254: v1(149.83,130.824) 158.974,130.824 ; v1(152.725,136.83) 152.725,135.853 152.686,135.814 158.974,135.814 ; v1(161.641,135.814) 158.974,135.814 ; v1(165.933,130.951) 165.806,130.824 158.974,130.824 ; 158.974,130.824 158.974,135.814
pads on no net: J1.A J1.B M1.2 M1.3 M1.4 M1.5 M1.6 M1.7 M1.16 M1.17 M1.18 M1.19 M1.20 M2.9 R35.1 TR1. TR1.1@149.411,3.01 TR1.1@149.411,65.51 TR1.1@191.411,3.01 TR1.2 TR1.3 TR1.5 TR1.7 TR1.8 TR1.10 TR1.11 TR1.13 TR1.15 TR1.16 TR1.18 TR2.0 TR2.4@151.195,73.344 U4.6 U4.7 U4.24 U4.28 U4.33 U5.34 U5.35 U5.36 U5.37 U5.62 U6.3 U6.6 U6.7 U6.24 U6.28 U6.33 U7.7 U8.3 U8.6 U8.24 U8.28 U8.33 U9.3 U9.6 U9.7 U9.24 U9.28 U9.33 U10.1 U10.3 U10.6 U10.7 U10.24 U10.28 U10.33 Y2.3 Y3.3
copper on no net: | length 0.1
  Top Layer w0.254: 113.769,56.409 113.845,56.409

## Polygon pours and split planes (outlines as drawn)
GND on Top Layer "Top Layer-No Net" (solid, pour order 7): 114.466,60.48 117.996,60.48 118.022,60.453 118.022,56.85 114.567,56.85 114.466,56.746 114.466,60.48
GND on Top Layer "Top Layer-No Net" (solid, pour order 8): 57.882,60.415 61.412,60.415 61.412,56.834 57.907,56.834 57.882,56.859 57.882,60.415
GND on Top Layer "Top Layer-No Net" (solid, pour order 9): 56.459,131.597 60.116,131.597 60.116,127.943 60.142,127.917 60.065,127.994 56.459,127.994 56.459,131.571 56.459,131.597
GND on Top Layer "Top Layer-No Net" (solid, pour order 6): 114.117,132.018 114.117,128.437 114.146,128.411 114.174,128.437 117.826,128.437 117.826,131.804 117.712,131.911 114.174,131.911 114.146,131.937
GND on Top Layer "Top Layer-No Net" (solid, pour order 10): 29.208,89.357 32.662,89.357 32.715,89.305 32.715,86.233 32.662,86.286 29.181,86.286 29.181,89.331 29.154,89.357

## Silkscreen, mask and mechanical layers (free items; w line width, h text height)
Top Overlay:
  lines w0.254: -6.871,180.162 5.359,180.162 ; -5.949,1.686 -5.441,0.162 ; -5.949,178.638 -5.441,180.162 ; -5.695,0.162 -5.187,0.162 ; -5.695,180.162 -5.187,180.162 ; -5.441,0.262 195.504,0.262 ; -5.441,84.424 -5.441,0.162 ; -5.441,95.901 -5.441,180.162 ; -4.933,1.686 -5.441,0.162 ; -4.933,178.638 -5.441,180.162 ; -4.703,-6.006 205.664,-6.006 205.664,205.9 ; -0.482,-4.231 0.022,-5.756 ; -0.232,-5.755 0.276,-5.757 ; -0.029,187.936 0.483,189.459 ; 0.053,189.046 206.045,189.046 ; 0.229,189.459 0.737,189.458 ; 0.232,83.32 0.022,-5.756 ; 0.273,100.383 0.483,189.459 ; 0.534,-4.233 0.022,-5.756 ; 0.686,205.384 0.686,205.892 ; 0.987,187.933 0.483,189.459 ; 2.209,205.129 0.686,205.638 ; 2.21,206.145 0.686,205.638 ; 2.389,177.319 2.389,190.613 ; 2.389,190.359 2.389,190.867 ; 2.439,-6.985 2.439,-1.219 ; 2.54,30.074 2.54,41.326 7.112,41.326 ; 2.845,163.754 2.845,151.841 10.693,151.841 ; 3.913,190.106 2.389,190.613 ; 3.913,191.122 2.389,190.613 ; 10.089,190.62 2.389,190.613 ; 23.089,190.632 30.789,190.638 ; 24.562,41.326 29.947,41.326 29.947,29.413 ; 26.873,151.841 30.251,151.841 30.251,163.093 ; 29.265,191.145 30.789,190.638 ; 29.265,190.129 30.789,190.638 ; 30.412,168.525 30.412,172.538 ; 30.48,177.114 30.48,181.127 ; 30.734,30.074 30.734,41.326 35.306,41.326 ; 30.789,190.384 30.789,190.892 ; 30.889,190.359 30.889,190.867 ; 30.943,181.94 30.943,193.349 ; 30.963,-4.14 30.963,-2.413 ; 31.039,151.867 31.039,163.043 ; 31.123,168.525 31.123,172.538 ; 31.14,177.14 31.14,181.153 ; 31.242,151.714 38.481,151.714 ; 32.413,190.106 30.889,190.613 ; 32.413,191.122 30.889,190.613 ; 38.589,190.62 30.889,190.613 ; 51.589,190.632 59.289,190.638 ; 52.045,41.326 58.141,41.326 58.141,29.413 ; 55.194,151.714 58.649,151.714 ; 57.765,191.145 59.289,190.638 ; 57.765,190.129 59.289,190.638 ; 58.699,29.82 58.699,41.072 63.271,41.072 ; 58.877,173.304 58.928,173.253 58.928,151.765 ; 59.289,190.384 59.289,190.892 ; 59.36,-4.597 59.36,-3.2 ; 59.36,178.664 59.36,192.1 ; 59.439,190.817 59.439,190.309 ; 59.685,173.334 59.685,151.663 67.539,151.663 ; 60.963,191.072 59.439,190.563 ; 60.963,190.056 59.439,190.563 ; 67.139,190.57 59.439,190.563 ; 80.112,41.072 86.106,41.072 86.106,29.159 ; 80.139,190.582 87.839,190.588 ; 84.328,151.613 87.097,151.613 87.097,170.993 ; 86.315,191.095 87.839,190.588 ; 86.315,190.079 87.839,190.588 ; 86.893,29.591 86.893,40.843 91.465,40.843 ; 87.839,190.842 87.839,190.334 ; 87.915,179.121 87.915,193.806 ; 87.935,-5.359 87.935,-3.023 ; 87.939,190.309 87.939,190.817 ; 88.087,171.094 88.087,151.663 95.326,151.663 ; 89.463,191.072 87.939,190.563 ; 89.463,190.056 87.939,190.563 ; 94.605,205.557 0.686,205.638 ; 95.639,190.57 87.939,190.563 ; 108.639,190.582 116.339,190.588 ; 108.661,40.843 114.3,40.843 114.3,28.931 ; 111.922,205.542 205.842,205.461 ; 111.938,151.663 115.392,151.663 115.392,171.044 ; 114.815,191.095 116.339,190.588 ; 114.815,190.079 116.339,190.588 ; 115.545,29.362 115.545,40.615 120.117,40.615 ; 116.281,171.145 116.281,151.663 121.991,151.663 ; 116.332,-5.563 116.332,-2.54 ; 116.339,190.842 116.339,190.334 ; 116.361,179.324 116.361,193.858 ; 116.389,190.259 116.389,190.767 ; 117.913,190.006 116.389,190.513 ; 117.913,191.022 116.389,190.513 ; 124.089,190.52 116.389,190.513 ; 136.982,40.615 142.951,40.615 142.951,28.702 ; 137.089,190.532 144.789,190.538 ; 137.795,151.663 143.789,151.663 143.789,175.59 143.84,175.641 ; 143.265,190.029 144.789,190.538 ; 143.265,191.045 144.789,190.538 ; 144.789,190.284 144.789,190.792 ; 144.865,179.019 144.865,193.799 ; 144.907,-2.261 144.907,-5.436 145.11,-5.639 ; 145.335,193.715 145.337,194.223 ; 146.858,193.454 145.336,193.969 ; 146.863,194.47 145.336,193.969 ; 165.125,193.878 145.336,193.969 ; 181.173,193.805 200.962,193.715 ; 199.436,193.214 200.962,193.715 ; 199.441,194.23 200.962,193.715 ; 200.961,193.461 200.963,193.969 ; 204.008,98.363 204.008,116.193 ; 204.317,204.954 205.842,205.461 ; 204.318,205.97 205.842,205.461 ; 205.841,205.207 205.842,205.715
  lines w0.508: 189.149,121.019 185.923,121.019 182.697,117.794 181.275,116.371 181.275,101.588 200.223,101.588 200.808,101.004 203.703,101.004 204.11,101.411 204.11,116.143 199.741,120.511 199.334,120.918 195.88,120.918
  text "205.156 (mm)" at 94.858,204.643 h1.52 r359.95
  text "55.627 (mm)" at 165.375,192.963 h1.52 r359.74
  text "28.4 (mm)" at 10.343,189.706 h1.52 r0.05
  text "28.4 (mm)" at 38.843,189.706 h1.52 r0.05
  text "28.4 (mm)" at 67.393,189.656 h1.52 r0.05
  text "28.4 (mm)" at 95.893,189.656 h1.52 r0.05
  text "28.4 (mm)" at 124.343,189.606 h1.52 r0.05
  text "Channel-01" at 11.908,151.347 h1.52
  text "Channel-09" at 122.499,151.169 h1.52
  text "Channel-03" at 39.878,151.079 h1.52
  text "Channel-05" at 68.936,151.028 h1.52
  text "Channel-07" at 96.723,151.028 h1.52
  text "Charger" at 189.149,121.68 h1.52
  text "180 (mm)" at -4.526,84.678 h1.52 r90
  text "195.215 (mm)" at 1.147,83.571 h1.52 r89.86
  text "Channel-02" at 8.585,40.538 h1.52
  text "Channel-04" at 36.551,40.538 h1.52
  text "Channel-08" at 93.066,40.31 h1.52
  text "Channel-06" at 64.618,40.081 h1.52
  text "Channel-10" at 121.742,39.497 h1.52

## Text inside footprints (layer, text, board x,y; h text height)
BT1: Top Overlay "+" at 202.502,97.36 h1.15 r90
D1: Top Overlay "+" at 199.806,65.961 h1.52 r270; Top Overlay "~" at 199.206,60.861 h1.52 r270; Top Overlay "~" at 199.006,55.761 h1.52 r270; Top Overlay "-" at 199.806,50.161 h1.52 r270
F1: Top Overlay "Fuse" at 176.779,74.995 h1.32